# Allegro board A733_PRO2_AXP318_LPDDR4_4X_200BALL_32X1_V1_1.brd (continued)
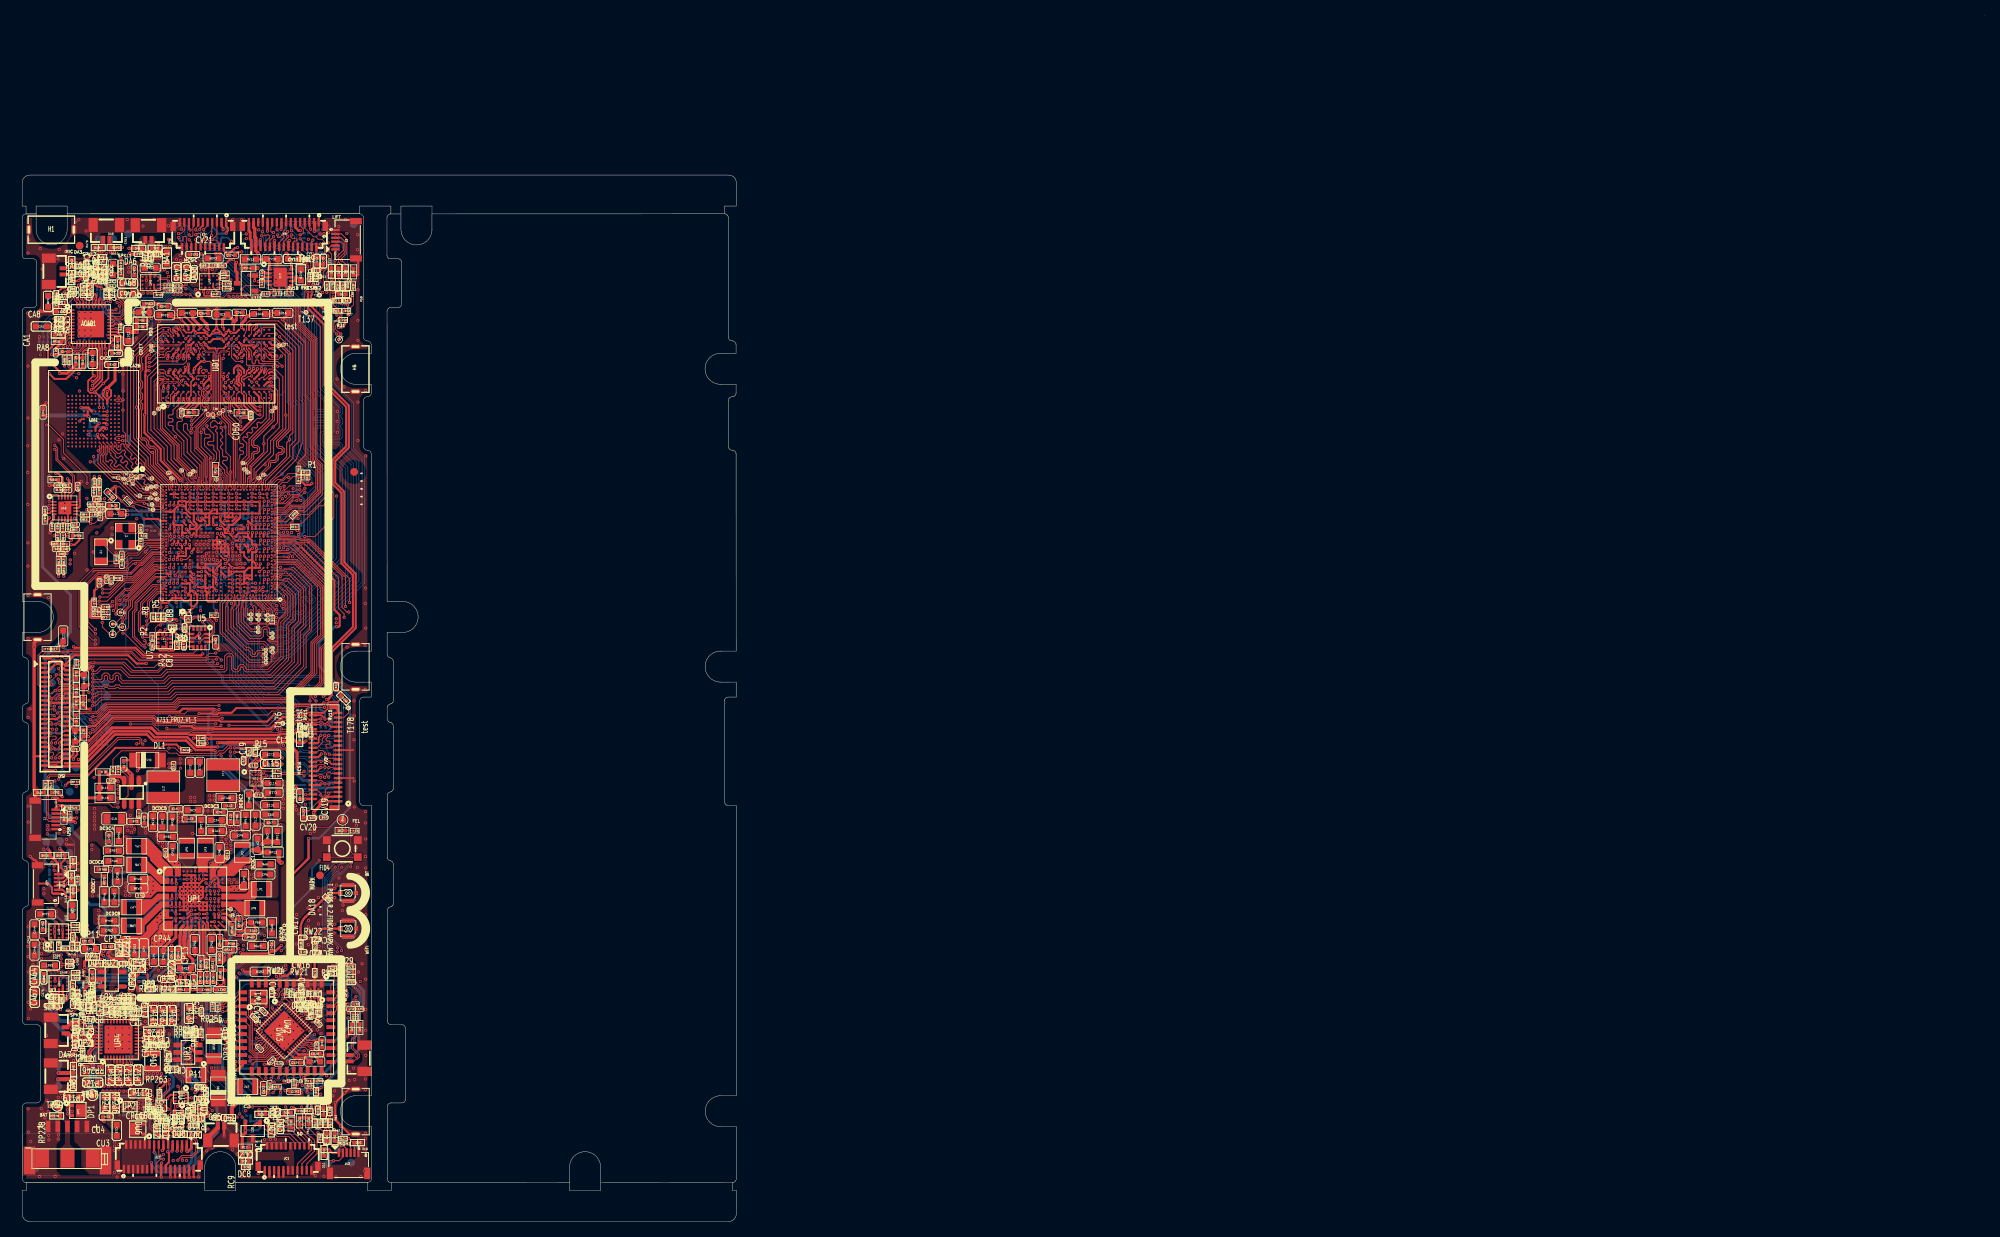
[diagram p0: board, top side]
## Routing (per net, layer and track width the routed paths; a pad name or vN(x,y) marks a point on that pad's centre or on a via; arc(x,y) is an arc through that point) (continued)
  L3 w0.114: v1(9.81,37.93) 10.46,37.93 11.03,37.36 12.18,37.36 12.79,36.75 12.79,36.11 13.31,35.59 14.91,35.59 17.12,37.8 19.53,37.8 20.57,36.75 25.12,36.75 25.45,37.08 26.55,37.08 26.83,37.36 26.83,40.72 30.32,44.21 30.32,49.23 33.05,51.96 33.05,57.02 33.88,57.85 33.88,59.21 34.61,59.93 34.61,63.62 33.81,64.41 33.81,69.85 35.03,71.07 35.03,75.35 36.79,77.1 36.79,89.07 36.05,89.81 36.05,91.44 35.57,91.92 35.57,92.89 v1(35.42,93.03)
  L4 w0.114: v1(35.42,93.03) 35.57,93.18 35.57,93.46 35.86,93.75 36.77,93.75 37.85,94.83 37.85,96.72 37.1,97.47 37.1,116.58 34.78,118.91 30.36,118.91 27.35,121.92 25.77,121.92 25.65,121.92 v1(25.46,121.73) 25.26,121.92 25.23,121.92 25.22,121.91 24.55,121.91 24.53,121.93 19.79,121.93 19.38,121.52 19.07,121.52 v1(18.87,121.33) ; v1(8.43,31.38) 8.72,31.67 8.72,36.87 8.35,37.24 8.35,37.61 v1(8.42,37.68)
  BOTTOM w0.114: v1(8.42,37.68) 8.74,37.36 9.03,37.36 9.61,37.93 v1(9.81,37.93)
TWI1-SCK: length 86.4
  TOP w0.102: v1(18.66,75.18) 18.94,75.18 18.95,75.19 U7.12 ; U2.13 23.42,75.3 22.87,74.75 v1(22.87,74.74)
  TOP w0.114: RL17.2 33.26,58.1 33.46,57.9 36.15,57.9 v1(36.35,58.09) ; JV2.35 39.74,64.42 39.69,64.46 39.39,64.46 39.34,64.42 39.33,64.42 v1(39.03,64.12) 39.03,64.12 38.67,64.48 38.37,64.48 38.31,64.41 36.86,64.41 36.57,64.71 35.39,64.71 34.95,64.26 T176.1 33.07,63.7 33.07,63.66 v1(32.93,63.52) ; U5.A2 21.68,77.87 21.9,77.87 22.12,78.09 23.42,78.09 23.76,77.75 24.23,77.75 24.8,77.18 24.8,75.99 24.4,75.58 24.37,75.58 24.08,75.3 U2.13 ; v1(31.26,91.85) 31.12,91.72 U1.1AA2
  L4 w0.114: v1(32.93,63.52) 32.93,63.7 34.14,64.92 34.14,66.58 37.52,69.95 37.52,74.69 38.51,75.68 38.51,88.16 36.99,89.69 36.87,89.69 36.75,89.81 34.67,89.81 33.13,91.35 31.75,91.35 v1(31.26,91.85)
  BOTTOM w0.114: R39.1 39.03,63.85 v1(39.03,64.12) ; 22.86,74.74 22.7,74.88 21.22,74.88 20.63,75.46 18.94,75.46 v1(18.66,75.18) ; 22.86,74.74 23.03,74.91 23.26,74.91 23.81,74.37 23.81,72.15 25.7,70.26 25.7,69.58 31.6,63.68 32.77,63.68 v1(32.93,63.52) 33.09,63.36 33.09,60.87 35.01,58.95 36.29,58.95 36.79,58.46 36.79,58.03 36.66,57.9 36.54,57.9 v1(36.35,58.09) ; 22.86,74.74 22.86,74.74 ; 22.86,74.74 22.86,74.74 ; v1(22.87,74.74) 22.86,74.74
TWI1-SDA: length 84.8
  TOP w0.102: v1(22.85,75.25) 22.94,75.33 23.02,75.33 23.48,75.8 U2.14 ; U7.2 18.59,75.67 18.15,75.23 v1(18.06,75.23)
  TOP w0.114: v1(36.35,57.49) 36.15,57.68 33.46,57.68 33.26,57.48 RL15.2 ; U5.B2 21.68,77.65 21.99,77.65 22.21,77.87 23.33,77.87 23.67,77.53 24.14,77.53 24.59,77.09 24.59,76.08 24.31,75.8 24.24,75.8 24.13,75.68 23.96,75.68 U2.14 ; v1(38.52,64.12) JV2.34 36.8,64.12 36.43,64.49 35.49,64.49 34.5,63.5 33.48,63.5 v1(33.43,63.55) ; U1.1AA1 31.62,91.71 v1(31.76,91.85)
  L4 w0.114: v1(33.43,63.55) 33.43,63.9 34.36,64.83 34.36,66.49 37.74,69.86 37.74,74.6 38.73,75.59 38.73,88.25 37.08,89.9 36.96,89.9 36.84,90.03 34.76,90.03 33.21,91.58 31.84,91.58 31.76,91.65 v1(31.76,91.85)
  BOTTOM w0.102: T175.1 38.5,64.1
  BOTTOM w0.114: v1(38.52,64.12) 38.5,64.1 R38.1 ; v1(18.06,75.23) 18.51,75.68 20.72,75.68 21.31,75.09 22.66,75.09 22.83,75.28 22.83,75.27 v1(22.85,75.25) 22.87,75.25 23,75.13 23.35,75.13 24.02,74.46 24.02,72.24 25.92,70.35 25.92,69.67 31.69,63.89 33.08,63.89 33.09,63.88 33.1,63.88 v1(33.43,63.55) 33.32,63.44 33.32,60.95 35.1,59.17 36.38,59.17 37,58.55 37,57.94 36.75,57.68 36.54,57.68 v1(36.35,57.49)
TWI2-SCK: length 73.2
  TOP w0.076: 34.1,84.81 33.09,84.81 32.84,84.56 32.45,84.56 32.21,84.8 U1.M2
  TOP w0.097: v1(3.82,67.42) 4.45,68.05 4.88,68.05 5.27,68.43 6.12,68.43 6.15,68.4
  TOP w0.114: JL1.15 3.51,67.83 3.8,67.54 3.8,67.44 v1(3.82,67.42) ; 34.1,84.81 35.15,84.81 38.09,81.87 38.09,75.61 37.24,74.76 37.24,70.9 33.9,67.56 20.07,67.56 19.41,66.9 10.75,66.9 9.6,65.75 7.54,65.75 DL3.2 6.6,66.32 6.45,66.47 6.45,68.1 6.15,68.4
  L3 w0.102: v1(4.71,57.06) 4.45,57.31 4.45,57.39 3.26,58.58 3.26,67.07 3.61,67.42 v1(3.82,67.42)
  BOTTOM w0.102: RL34.2 5.31,67.8 4.2,67.8 v1(3.82,67.42) ; v1(4.71,57.06) 5.11,56.65 5.11,56.26 5.91,55.46 TP66.1
TWI2-SDA: length 71.4
  TOP w0.102: 6.21,67.75 5.83,68.13 JL1.14
  TOP w0.114: U1.M1 32.77,85 35.27,85 38.49,81.77 38.49,75.7 37.47,74.67 37.47,70.83 33.99,67.35 20.17,67.35 19.51,66.69 10.85,66.69 9.7,65.53 7.2,65.53 DL4.2 6.84,65.32 6.31,65.85 6.31,66.3 6.24,66.38 6.24,67.73 6.21,67.75 ; JL1.14 5.41,67.84 5.3,67.84 5.29,67.83 4.68,67.83 4.34,67.49 v1(4.34,67.42)
  L3 w0.102: v1(4.34,67.42) 4.32,67.42 3.96,67.78 3.67,67.78 3.3,67.41 3.3,67.39 3.06,67.15 3.06,58.22 4.05,57.23 4.05,57.01 v1(4.21,56.84)
  BOTTOM w0.102: v1(4.21,56.84) 4.35,56.7 TP67.1 ; v1(4.34,67.42) 4.67,67.09 5.21,67.09 RL35.2
TWI3-SCK: length 81.3
  TOP w0.076: U1.B4 31.37,80.76 31.62,80.51 31.62,80.06 32.75,78.93 v1(32.82,78.93)
  TOP w0.114: v1(35.83,127.3) 35.99,127.3 36.25,127.56 36.25,128.07 35.83,128.49 JV1.9 ; JV3.9 23.91,128.5 v1(23.4,127.99)
  L4 w0.114: v1(35.83,127.3) 35.62,127.3 35.48,127.44 35.48,128.12 35,128.6 29.64,128.6 29.38,128.35 29.38,127.39 29.22,127.23 29.11,127.23 v1(28.91,127.42) 28.65,127.16 28.47,127.16 26.94,128.69 24.68,128.69 23.78,127.78 23.61,127.78 v1(23.4,127.99)
  BOTTOM w0.102: v1(35.83,127.3) 36.04,127.51 RV7.2
  BOTTOM w0.114: v1(28.91,127.42) 28.83,127.34 T134.1 28.27,126.06 28.76,125.57 28.76,124.65 29.77,123.65 30.28,123.65 31.1,122.82 33.14,122.82 34.01,121.96 34.01,119.54 36.18,117.37 36.2,117.37 36.33,117.23 36.33,106.59 37.03,105.89 37.03,99.94 39.95,97.01 39.95,85.72 34.82,80.59 34.82,79.81 33.79,78.78 32.98,78.78 v1(32.82,78.93)
TWI3-SDA: length 80.7
  TOP w0.076: U1.A4 31.37,80.08 32.51,78.95 32.51,78.73 v1(32.81,78.42)
  TOP w0.114: JV3.8 24.21,126.41 23.77,126.85 23.77,126.87 23.4,127.24 v1(23.4,127.35) ; v1(35.85,126.8) 36.13,126.51 JV1.8
  L4 w0.114: v1(35.85,126.8) 35.71,126.94 35.68,126.94 35.26,127.35 35.26,128.03 34.91,128.38 29.73,128.38 29.6,128.26 29.6,127.3 29.31,127.01 29.11,127.01 v1(28.91,126.82) 28.8,126.93 28.76,126.93 28.74,126.95 28.38,126.95 26.85,128.47 24.77,128.47 23.87,127.56 23.61,127.56 v1(23.4,127.35)
  BOTTOM w0.102: RV8.2 35.92,126.87 v1(35.85,126.8)
  BOTTOM w0.114: v1(28.91,126.82) 28.63,126.82 28.51,126.69 28.51,126.3 29.08,125.73 T138.1 29.08,124.64 29.85,123.86 30.37,123.86 31.19,123.04 33.23,123.04 34.22,122.05 34.22,119.65 36.55,117.32 36.55,106.68 37.24,105.98 37.24,100.02 40.16,97.1 40.16,85.63 35.04,80.5 35.04,79.72 33.88,78.56 32.95,78.56 v1(32.81,78.42)
TWI4-SCK: length 41.3
  TOP w0.102: JV2.10 38.58,56.92 v1(39.03,56.46) ; v1(31.07,81.84) 30.62,81.39 U1.1A3
  BOTTOM w0.102: v1(31.07,81.84) 30.54,81.3 30.54,80.92 28.96,79.34 28.96,76.58 30.36,75.19 30.36,71.67 31.81,70.23 38.32,70.23 41.2,67.35 41.2,57.62 40.37,56.79 39.4,56.79 39.06,56.46 v1(39.03,56.46) 38.67,56.83 38.35,56.83 RV24.2 37.91,56.48 T162.1
TWI4-SDA: length 37.8
  TOP w0.102: U1.1A1 31.12,81.35 v1(31.05,81.28) ; JV2.9 39.72,56.62 v1(39.54,56.44)
  BOTTOM w0.102: v1(31.05,81.28) 31,81.23 31,80.96 29.14,79.1 29.14,76.7 30.56,75.28 30.56,71.76 31.89,70.43 38.43,70.43 41.43,67.43 41.43,57.29 T161.1 40.62,56.48 RV25.2 39.59,56.48 v1(39.54,56.44)
TWI8-SCK: length 186.3
  TOP w0.102: RP271.2 10.84,119.19 v1(10.97,119.06) 10.57,119.06 10.26,118.75 UA1.32 ; UP5.B3 18.09,15.51 18.09,16.32 18.11,16.33 18.11,16.4 18.61,16.9 18.61,17.91 18.82,18.11 18.84,18.11 18.97,18.24 v1(18.97,18.3)
  TOP w0.114: UA6.16 6.31,93.74 6.73,94.17 6.73,96.2 4.58,98.35 4.58,99.78 4.36,100 4.35,100 v1(4.2,100.15)
  L3 w0.102: v1(40.5,77.25) 40.05,76.81 40.05,76.12 37.99,74.06 37.99,69.5 40.28,67.2 40.28,49.75 35.91,45.38 35.91,42.44 34.29,40.82 34.29,28.14 30.27,24.13 30.17,24.13 29.05,23 29.05,22.32 27.55,20.82 v1(27.55,20.6) ; v1(10.97,119.06) 10.97,118.92 10.48,118.44 7.2,118.44 6.4,117.65 6.4,115.04 4.66,113.29 4.66,110.25 5.68,109.22 5.68,101.14 4.69,100.15 v1(4.2,100.15) ; v1(20.09,119.61) 21.09,118.6 32.71,118.6 37.22,114.1 37.22,98 35.82,96.61 35.82,96.53 35.77,96.48 35.77,96.44 34.36,95.03 v1(34.36,93.9)
  L4 w0.102: v1(27.55,20.6) 27.38,20.43 22.84,20.43 21.43,19.02 20.01,19.02 19.28,18.3 v1(18.97,18.3) ; v1(40.5,77.25) 40.95,77.71 40.95,88.46 36.75,92.66 35.33,92.66 34.36,93.63 v1(34.36,93.9)
  BOTTOM w0.102: v1(20.09,119.61) 19.72,119.24 19.31,119.24 18.45,118.38 13.98,118.38 12.73,117.13 11.75,117.13 11.12,117.77 11.12,118.46 11.02,118.55 11.02,119.01 v1(10.97,119.06) 10.85,119.18 RA27.1 ; RA3.1 33.07,94.3 33.33,94.03 34.23,94.03 v1(34.36,93.9)
TWI8-SDA: length 185.7
  TOP w0.102: UA1.31 10.66,118.58 10.79,118.71 v1(11.37,118.71) 11.46,118.79 11.46,119.06 11.58,119.18 RP272.2 ; v1(18.97,17.75) 18.97,16.97 18.31,16.31 18.31,15.53 18.34,15.5 UP5.C3
  TOP w0.114: UA6.17 5.91,93.77 6.16,94.03 6.29,94.03 6.52,94.26 6.52,96.11 4.36,98.26 4.36,99.48 v1(4.21,99.63)
  L3 w0.102: v1(4.21,99.63) 4.58,99.63 5.89,100.94 5.89,109.31 4.86,110.33 4.86,113.21 6.61,114.96 6.61,117.57 7.28,118.24 10.64,118.24 11.11,118.71 v1(11.37,118.71) ; v1(19.57,119.59) 19.57,119.58 20.75,118.4 32.63,118.4 37.02,114.01 37.02,98.09 35.64,96.72 35.64,96.61 35.59,96.56 35.59,96.52 34.16,95.08 34.16,94.7 33.95,94.5 v1(33.95,93.57) ; v1(27.49,20.08) 27.19,20.38 27.19,20.76 28.84,22.4 28.84,23.08 30.1,24.34 30.2,24.34 33.92,28.06 33.92,31.79 33.56,32.14 33.56,33.81 34.08,34.33 34.08,40.91 35.7,42.52 35.7,45.45 40.08,49.84 40.08,67.12 37.77,69.43 37.77,74.19 39.83,76.24 39.83,77.11 v1(40.5,77.78)
  L4 w0.102: v1(33.95,93.57) 35.07,92.45 36.67,92.45 40.48,88.64 40.48,78.08 40.48,78.08 40.48,77.79 v1(40.5,77.78) ; v1(27.49,20.08) 27.34,20.23 22.92,20.23 21.51,18.82 20.09,18.82 19.02,17.75 v1(18.97,17.75)
  BOTTOM w0.102: RA4.1 33.84,93.69 v1(33.95,93.57) ; v1(19.57,119.59) 19.37,119.59 18.36,118.58 13.89,118.58 12.64,117.33 11.84,117.33 11.37,117.8 v1(11.37,118.71) 11.46,118.79 11.46,119.06 11.58,119.18 RP272.2
TYPEC-DM: length 2.2
  TOP w0.112: RU11.2 19.69,13.44 LU1.4 19.69,14.67 19.65,14.71 19.65,15.01 19.69,15.05 19.69,15.5 UU3.5
TYPEC-DM-1: length 19.1
  TOP w0.112: RU18.1 RU35.1 13.1,27.97 v1(13.12,27.95) 13.12,27.62 RP252.1 ; v1(20.08,17.45) 20.24,17.28 UU3.2
  BOTTOM w0.112: v1(13.12,27.95) 13.23,27.85 13.23,27.39 13.5,27.13 17.71,27.13 18.39,26.46 18.39,25.86 19.44,24.81 19.44,19.25 20.55,18.14 20.55,17.58 20.42,17.45 v1(20.08,17.45)
TYPEC-DP: length 1.9
  TOP w0.112: RU12.2 LU1.1 20.64,14.19 UU3.7
TYPEC-DP-1: length 19.1
  TOP w0.112: RP251.1 13.57,27.48 13.57,27.79 v1(13.73,27.95) 13.71,27.97 RU34.1 RU17.1 ; v1(21.1,17.46) 21.24,17.32 UU3.10
  BOTTOM w0.112: v1(21.1,17.46) 20.79,17.78 20.79,18.24 19.68,19.35 19.68,24.9 18.63,25.96 18.63,26.55 17.81,27.37 13.6,27.37 13.47,27.49 13.47,27.69 v1(13.73,27.95)
UFS-REXT: length 1
  TOP w0.102: U1.1V26 19.12,89.47 v1(19,89.35)
  BOTTOM w0.102: v1(19,89.35) 19.06,89.41 RM9.2
USB0-DM: length 60.1
  TOP w0.076: 17.16,81.7 17.17,81.71 17.17,81.71 17.48,81.75 17.86,81.75 17.95,81.84 18.27,81.84 18.51,81.6 U1.D36
  TOP w0.112: 17.16,81.7 15.26,79.8 15.26,78.85 14.98,78.57 14.98,76.2 15.25,75.93 15.83,75.93 v1(16.06,75.7) ; v1(12.84,29.44) 12.82,29.44 12.5,29.12 RU18.2
  L4 w0.112: v1(16.06,75.7) 16.31,75.7 16.57,75.44 16.57,74.77 16.91,74.43 16.91,61.39 15.41,59.89 15.41,55.8 14.45,54.84 14.45,52.17 14.14,51.85 13.16,51.85 12.72,51.42 12.72,49.17 12.15,48.6 12.15,44.55 11.97,44.37 11.97,38.95 12.47,38.46 12.47,37.38 12.79,37.06 12.79,34.32 12.52,34.06 12.52,30.71 13.14,30.09 13.14,29.74 v1(12.84,29.44)
USB0-DP: length 60
  TOP w0.076: 17.33,81.53 17.34,81.54 17.38,81.58 17.49,81.59 17.92,81.59 17.93,81.6 U1.D37
  TOP w0.112: 17.33,81.53 15.49,79.7 15.49,78.75 15.22,78.47 15.22,76.3 15.35,76.17 15.94,76.17 16.07,76.3 v1(16.07,76.43) ; v1(14.3,29.27) 14.33,29.24 RU17.2
  L4 w0.112: v1(14.3,29.27) 14.18,29.39 13.73,29.39 13.52,29.59 13.52,29.59 13.41,29.7 13.41,30.2 12.79,30.82 12.79,33.95 13.05,34.21 13.05,37.17 12.73,37.49 12.73,38.57 12.24,39.06 12.24,44.26 12.42,44.44 12.42,48.49 12.99,49.06 12.99,51.31 13.27,51.59 14.25,51.59 14.72,52.06 14.72,54.73 15.68,55.69 15.68,59.78 17.18,61.28 17.18,74.54 16.84,74.88 16.84,75.55 16.45,75.94 16.45,76.04 v1(16.07,76.43)
USB0-REXT: length 2
  TOP w0.102: U1.1B23 20.96,81.85 v1(21.08,81.73)
  BOTTOM w0.102: v1(21.08,81.73) 20.47,81.12 R14.2
USB1-DM: length 40.7
  TOP w0.076: U1.F36 18.57,82.34 18.39,82.15 17.37,82.15 17.32,82.2 17.3,82.2
  TOP w0.112: v1(15.82,74.1) 15.69,74.23 15.41,74.23 14.24,75.41 14.24,78.67 14.56,78.99 14.56,79.94 16.82,82.2 17.3,82.2 ; RU3.2 3.22,56.84 3.22,57.39 3.54,57.71 7.59,57.71 12.31,62.43 15.16,62.43 15.43,62.17 15.43,61.72 v1(15.55,61.59)
  L4 w0.112: v1(15.55,61.59) 15.45,61.69 15.45,74.03 15.58,74.16 15.76,74.16 v1(15.82,74.1)
USB1-DP: length 41
  TOP w0.076: U1.E36 17.37,82 17.32,81.96 17.3,81.96
  TOP w0.112: 17.3,81.96 16.92,81.96 14.8,79.84 14.8,78.89 14.48,78.57 14.48,75.51 15.51,74.47 15.87,74.47 15.99,74.59 15.99,74.77 v1(15.82,74.94) ; RU4.2 3.68,56.62 3.46,56.84 3.46,57.12 3.46,57.29 3.64,57.47 7.69,57.47 12.41,62.19 15.06,62.19 15.19,62.07 15.19,61.75 15.07,61.63 v1(14.78,61.63)
  L4 w0.112: v1(15.82,74.94) 15.9,74.87 15.9,74.57 15.79,74.47 15.51,74.47 15.19,74.14 15.19,61.77 15.05,61.63 v1(14.78,61.63)
USB1-REXT: length 2.7
  TOP w0.114: U1.1A25 19.64,81.37 19.98,81.37 20.12,81.23 v1(20.12,81.23)
  L4 w0.076: v1(19.86,79.89) 20.09,80.12 20.09,81.2 v1(20.12,81.23)
  BOTTOM w0.102: v1(19.86,79.89) 19.98,79.78 R67.2
USB2-DM: length 58.9
  TOP w0.112: v1(13.8,29.88) 13.8,29.73 13.1,29.03 RU35.2 ; v1(16.04,77.48) 16.4,77.84 16.4,79.92 17.56,81.08 18.13,81.08 18.2,81.01 18.2,80.83 U1.B37
  L4 w0.112: v1(13.8,29.88) 13.97,30.05 13.97,30.23 13.24,30.96 13.24,33.68 13.94,34.38 13.94,36.87 13.15,37.66 13.15,38.84 12.68,39.31 12.68,44.07 12.94,44.32 12.94,48.39 15.12,50.57 15.12,54.44 16.11,55.43 16.11,59.47 17.67,61.04 17.67,74.64 17.36,74.96 17.36,75.7 17.03,76.03 17.03,77.51 16.89,77.65 16.65,77.65 16.52,77.52 16.52,77.34 16.45,77.27 16.28,77.27 16.07,77.48 v1(16.04,77.48)
USB2-DP: length 58.9
  TOP w0.112: RU34.2 13.71,29.28 14.16,29.73 14.16,29.73 v1(14.31,29.88) ; U1.C36 18.46,81.32 17.47,81.32 16.16,80.02 16.16,78.21 v1(16.04,78.08)
  L4 w0.112: v1(16.04,78.08) 16.08,78.04 16.87,78.04 17.29,77.62 17.29,76.14 17.62,75.81 17.62,75.07 17.94,74.75 17.94,60.93 16.38,59.36 16.38,55.32 15.39,54.33 15.39,50.46 13.2,48.28 13.2,44.21 12.95,43.96 12.95,39.42 13.42,38.95 13.42,37.77 14.21,36.98 14.21,34.27 13.51,33.57 13.51,31.07 14.25,30.34 14.25,29.94 v1(14.31,29.88)
USB2-REXT: length 1.2
  TOP w0.102: v1(21.06,81.23) 20.93,81.35 U1.1A23
  BOTTOM w0.102: v1(21.06,81.23) 21.1,81.18 R48.2
USB2-SW: length 107.5
  TOP w0.076: 32.73,92.6 32.69,92.64 32.41,92.64 U1.AL2
  TOP w0.102: RU15.1 18.78,13.11 v1(18.78,13.51) 18.78,13.51 18.78,13.65 19.19,14.06 19.19,15.71 19.43,15.95 UU3.4 ; v1(36.46,94.09) 36.42,94.09 35.92,93.6 35.63,93.6 35.62,93.61 35.02,93.61 35.01,93.6 34.95,93.6 33.95,92.6 32.73,92.6
  L3 w0.102: v1(27.81,35.75) 27.81,36.44 29.24,37.87 29.24,38.41 30.1,39.26 30.1,42.76 30.98,43.65 30.98,47.6 34.25,50.86 34.25,57.22 34.41,57.39 34.41,58.98 35.13,59.7 35.13,59.71 35.14,59.71 35.14,63.84 34.35,64.63 34.35,69.63 35.57,70.85 35.57,75.12 37.31,76.87 37.31,89.3 36.46,90.16 v1(36.46,94.09)
  L4 w0.102: v1(28.05,13.88) 27.97,13.96 26.69,13.96 25.9,13.17 19.12,13.17 v1(18.78,13.51)
  BOTTOM w0.102: v1(28.05,13.88) 28.05,15.9 24.79,19.17 24.79,20.74 24.16,21.36 24.16,29.26 24.73,29.83 26.13,29.83 26.48,30.17 26.48,32.09 27.55,33.17 27.55,35.5 v1(27.81,35.75)
USB2-SW-EN: length 106.5
  TOP w0.102: v1(35.78,94.92) 35.77,94.91 34.44,94.91 33.13,93.6 U1.AP1 ; UU3.8 21.4,15.4 v1(21.4,14.74) RU14.1
  L3 w0.102: v1(28.48,35.08) 28.57,35.08 29.85,36.36 29.85,38.14 30.71,38.99 30.71,42.49 31.59,43.38 31.59,47.33 36.28,52.02 36.28,53.49 35.62,54.15 35.62,55.56 35.8,55.74 35.8,56.67 35.05,57.42 35.05,58.74 35.75,59.44 35.75,64.11 35.74,64.12 35.74,64.18 34.96,64.96 34.96,69.37 36.18,70.59 36.18,74.85 37.92,76.6 37.92,89.67 37.41,90.18 37.41,94.42 36.68,95.15 36.01,95.15 v1(35.78,94.92)
  L4 w0.102: v1(21.4,14.74) 21.48,14.66 21.48,13.82 21.8,13.5 22.65,13.5 23.11,13.96 26.4,13.96 26.6,14.16 27.82,14.16 27.9,14.24 28.2,14.24 28.41,14.03 28.57,14.03 v1(28.82,14.29)
  BOTTOM w0.102: v1(28.82,14.29) 28.66,14.45 28.66,15.9 25.19,19.37 25.19,20.92 24.57,21.54 24.57,29.03 24.96,29.42 26.39,29.42 26.89,29.93 26.89,31.93 28.57,33.6 28.57,34.96 28.48,35.05 v1(28.48,35.08)
USB-UPGRADE-COMBO1-SEL-ADC: length 2.7
  TOP w0.127: U1.1F24 19.73,83.46 v1(19.73,83.31)
  BOTTOM w0.127: v1(19.73,83.31) 19.5,83.54 R13.2 19.5,83.82 19.34,83.98 18.71,83.98 R12.2
V-CORE: length 10.4
  TOP w0.178: UW3.10 30.67,25.48 30.67,25.65 v1(30.55,25.77) ; UW3.23 32.92,20.97 v1(32.87,20.97)
  TOP w0.203: CW26.1 30.46,25.77 v1(30.55,25.77)
  TOP w0.254: CW28.2 32.81,20.9 v1(32.87,20.97)
  L4 w0.254: v1(30.55,25.77) 30.6,25.72 30.6,24.71 29.65,23.76 29.65,22.11 30.79,20.97 v1(32.87,20.97)
VDD-CORE/HP-DET: length 2.5
  TOP w0.102: v1(9.16,119.05) 9.06,118.95 UA1.35
  BOTTOM w0.102: CA11.1 9.25,118.97 v1(9.16,119.05) 9.66,119.55 RA12.1
VLED+: length 38.6
  TOP w0.254: CL7.2 13.21,59.54 DL1.2 15.1,58.95 15.1,58.39 v1(14.86,58.15) ; v1(16,72) 14.75,72 13.7,73.05 6.73,73.05 5.7,72.02 JL1.2 5.55,71.73 4.92,72.36 3.94,72.36 3.61,72.03 JL1.1
  L4 w0.305: v1(16,72) 16,62.53 16.3,62.23 16.3,61.61 14.86,60.16 v1(14.86,58.15) 14.86,56.03 13.95,55.13 v1(13.95,52.39)
VLED-: length 31.5
  TOP w0.254: JL1.4 5.63,71.13 5.42,71.35 5.28,71.35 5.14,71.49 5.14,71.63 4.83,71.93 v1(4.29,71.93) 3.19,70.83 JL1.5
  TOP w0.381: RL9.2 9.96,55.97 RL11.1 9.98,55.94 RL16.1 7.9,54.66 7.55,54.3 4.83,54.3 4.54,54.6 v1(3.94,54.6)
  L4 w0.254: v1(4.29,71.93) 3.22,70.87 3.22,67.16 3.26,67.12 3.26,55.28 v1(3.94,54.6)
VOL+: length 8.7
  TOP w0.102: R57.1 39.99,120.93 R25.2
  TOP w0.114: R57.1 40.36,121.32 40.36,122.54 D2.2 40.34,123.45 40.34,124 v1(40.36,124.01) 40.34,124.03 40.34,124.26 41.41,125.32 41.41,126.1 41.09,126.42 J2.3
  BOTTOM w0.102: v1(40.36,124.01) 40,124.01 TP31.1
VOL+1: length 7.3
  TOP w0.102: R61.1 37.73,12.42 R50.2
  TOP w0.127: R50.2 38.43,11.98 38.84,11.57 38.84,10.86 D8.2 39.93,9.78 v1(41.16,9.78) 41.42,9.78 41.85,9.35 J12.3
  BOTTOM w0.102: v1(41.16,9.78) 40.67,9.3 TP51.1
VOL-: length 11.2
  TOP w0.102: R58.1 R26.2
  TOP w0.114: R26.2 42.08,121.7 42.08,122.52 D3.2 41.01,123.6 v1(40.79,123.6) 40.79,124.25 41.62,125.08 41.62,126.43 41.14,126.92 J2.4
  BOTTOM w0.114: v1(40.79,123.6) 40.79,124.96 40.51,125.24 TP32.1
VOL-1: length 8.8
  TOP w0.102: R51.2 39.12,12.43 R62.1
  TOP w0.127: R51.2 39.72,11.82 39.72,10.99 D9.2 40.52,10.18 41.63,10.18 v1(41.69,10.12) 41.86,10.12 42.35,9.64 J12.4
  BOTTOM w0.102: TP50.1 39.36,10.36 41.45,10.36 v1(41.69,10.12)
VRA1/MIC2P: length 4.7
  TOP w0.102: UA1.14 8.26,113 7.3,112.04 v1(7.11,112.04) 6.96,111.88 6.46,111.88 6.11,111.53 RA87.2
  BOTTOM w0.102: CA2.1 8.01,112.94 v1(7.11,112.04)
VRA2/MIC2N: length 4.9
  TOP w0.102: RA88.2 5.46,111.73 CA4.2 5.99,112.25 v1(6.64,112.25) 6.83,112.25 6.96,112.39 7.37,112.39 7.86,112.89 UA1.13
  BOTTOM w0.102: v1(6.64,112.25) 7.39,113 RA6.2
VREF: length 1.1
  TOP w0.254: UP1.N10 v1(23.85,39.17)
  BOTTOM w0.254: v1(23.85,39.17) 23.86,39.16 CP21.2
WL-REG-ON: length 112.7
  TOP w0.114: UW3.34 37.51,23.94 v1(37.69,24.12) ; RW17.2 25.21,27.44 RW15.1 25.65,27.42 v1(25.83,27.6) 25.93,27.7 26.32,27.7 28.2,29.57 UW2.12 ; U1.R37 18.08,86.1 16.92,86.1 15.47,84.65 15.18,84.65 14.06,83.53 9.82,83.53 8.48,82.19 8.48,77.36 v1(9.45,76.4)
  L4 w0.114: v1(25.83,27.6) 25.62,27.6 22.52,24.5 20.11,24.5 18.14,26.47 10.87,26.47 8.91,28.43 8.26,28.43 7.64,29.06 7.64,32.89 8.19,33.44 8.19,36.58 7.73,37.03 7.73,38.57 7.9,38.74 7.9,46.65 8.39,47.14 8.39,49.29 9,49.9 9.6,49.9 10,50.3 10,57.55 11.91,59.46 11.91,73.7 10.09,75.51 10.09,75.72 9.84,75.97 9.84,76.15 9.6,76.4 v1(9.45,76.4)
  BOTTOM w0.114: v1(25.83,27.6) 25.64,27.6 25.47,27.43 25.47,26.49 25.75,26.21 26.64,26.21 29.55,23.3 30.04,23.3 30.06,23.29 30.36,23.29 30.37,23.3 31.13,23.3 33.22,21.22 34.27,21.22 37.17,24.12 v1(37.69,24.12)
WL-SDIO-CLK: length 82.7
  TOP w0.114: v1(29.38,21.22) 29.46,21.14 31.31,21.14 32.09,21.92 32.2,21.92 32.2,21.92 32.38,21.92 UW3.20 ; UW2.17 27.45,25.07 26.77,24.4 CW15.2 26.17,24.54 v1(26.98,25.35)
  L4 w0.114: v1(33.71,86.93) 33.71,86.3 34.01,86 34.01,85.53 34.59,84.94 34.59,77.77 33.3,76.47 33.3,72.34 28.4,67.44 28.4,55.63 29.75,54.28 29.75,51 31.94,48.82 31.94,38.29 31.73,38.09 31.73,33.45 26.86,28.57 26.86,26.66 26.98,26.53 v1(26.98,25.35)
  BOTTOM w0.114: v1(29.38,21.22) 28.37,22.23 28.37,23.77 26.98,25.16 v1(26.98,25.35) ; RW1.2 33.29,86.51 v1(33.71,86.93) 33.76,86.93 34.15,87.32 RW11.1
WL-SDIO-CMD: length 82.7
  TOP w0.114: v1(26.22,25.77) 26.43,25.97 UW2.16 28.56,25.97 29.27,25.27 29.27,21.97 29.88,21.36 31.15,21.36 31.16,21.37 31.22,21.37 31.99,22.14 32.11,22.14 UW3.19 ; U1.1N2 31.12,87.72 v1(31.26,87.85)
  L4 w0.114: v1(26.22,25.77) 26.22,28.83 30.35,32.96 30.35,33.03 30.55,33.24 30.55,38.43 31.3,39.18 31.3,47.38 30.16,48.53 30.16,48.94 28.94,50.16 28.94,54.2 27.77,55.37 27.77,67.83 32.66,72.72 32.66,76.43 34.03,77.8 34.03,84.43 33.24,85.22 33.24,85.86 v1(31.26,87.85)
  BOTTOM w0.114: RW12.1 31.68,87.43 v1(31.26,87.85)
WL-SDIO-D0: length 83.9
  TOP w0.114: UW2.18 27.8,24.17 27.73,24.1 v1(26.98,24.1) ; v1(29.37,20.7) 29.55,20.88 31.38,20.88 32.14,21.64 32.6,21.64 UW3.21 ; U1.1N1 31.62,87.71 v1(31.76,87.85)
  L4 w0.114: v1(31.76,87.85) 33.51,86.11 33.51,85.36 34.32,84.54 34.32,77.77 32.98,76.43 32.98,72.54 28.08,67.65 28.08,55.5 29.26,54.33 29.26,50.29 30.47,49.07 30.47,48.65 31.62,47.51 31.62,39.05 30.87,38.3 30.87,33.11 30.74,32.98 30.74,32.91 26.54,28.7 26.54,26.53 26.59,26.48 26.59,24.5 v1(26.98,24.1)
  BOTTOM w0.114: v1(29.37,20.7) 28.77,20.7 28.04,21.44 28.04,23.55 27.48,24.1 v1(26.98,24.1) ; v1(31.76,87.85) 31.85,87.77 32.83,87.77 33.11,88.05 RW10.1
WL-SDIO-D1: length 82
  TOP w0.114: UW2.19 27.71,23.27 v1(27.38,23.61) ; v1(29.74,20.32) 30.07,20.65 31.47,20.65 32.2,21.39 32.84,21.39 UW3.22 ; v1(34.35,85.74) 34.34,85.74 34.33,85.74 32.47,85.74 32.21,86 U1.R2
  L4 w0.114: v1(34.35,85.74) 34.35,85.52 34.82,85.05 34.82,77.57 33.61,76.36 33.61,72.17 28.71,67.27 28.71,55.76 30.07,54.41 30.07,51.13 32.25,48.94 32.25,38.15 32.05,37.95 32.05,33.32 27.19,28.46 27.19,26.83 27.88,26.14 27.88,24.12 v1(27.38,23.61)
  BOTTOM w0.114: v1(34.35,85.74) 33.87,85.74 RW9.1 ; v1(29.74,20.32) 28.56,20.32 27.66,21.22 27.66,23.33 v1(27.38,23.61)
WL-SDIO-D2: length 80.4
  TOP w0.102: U1.R1 32.75,86.18 34.45,86.18 v1(34.86,85.77)
  TOP w0.114: v1(27.55,27.72) 27.61,27.77 UW2.14 28.67,27.77 29.19,27.25 29.19,26.57 29.71,26.05 29.71,22.15 30.05,21.8 30.96,21.8 31.59,22.44 31.59,22.61 UW3.17
  L4 w0.114: v1(27.55,27.72) 27.55,28.38 32.37,33.2 32.37,37.77 32.57,37.97 32.57,49.47 31.4,50.63 31.4,51.41 30.47,52.34 30.47,54.45 29.02,55.89 29.02,67.14 29.35,67.46 29.53,67.46 29.6,67.39 29.78,67.39 29.92,67.53 29.92,67.71 29.85,67.79 29.85,67.97 29.99,68.11 30.17,68.11 30.25,68.03 30.43,68.03 30.57,68.18 30.57,68.36 30.5,68.43 30.5,68.61 30.64,68.76 30.82,68.76 30.89,68.68 31.07,68.68 31.22,68.83 31.22,69 31.14,69.08 31.14,69.26 31.29,69.4 31.47,69.4 31.54,69.33 31.72,69.33 31.86,69.47 31.86,69.65 31.79,69.73 31.79,69.91 31.93,70.05 32.11,70.05 32.19,69.97 32.37,69.97 32.51,70.12 32.51,70.3 32.44,70.37 32.44,70.55 32.58,70.7 32.76,70.7 32.83,70.62 33.01,70.62 33.16,70.77 33.16,70.94 33.08,71.02 33.08,71.2 33.23,71.34 33.41,71.34 33.48,71.27 33.66,71.27 33.8,71.41 33.8,71.59 33.73,71.67 33.73,71.85 33.95,72.07 33.95,76.33 35.1,77.47 35.1,85.27 34.86,85.51 v1(34.86,85.77)
  BOTTOM w0.114: RW14.1 34.86,85.95 v1(34.86,85.77)
WL-SDIO-D3: length 83.6
  TOP w0.076: U1.T2 32.41,86.64 32.75,86.64 32.8,86.59
  TOP w0.102: 32.8,86.59 34.11,86.59 v1(34.25,86.73)
  TOP w0.114: v1(27.55,27.01) 27.69,26.87 UW2.15 28.56,26.87 29.49,25.95 29.49,22.06 29.96,21.59 31.06,21.59 UW3.18
  L4 w0.114: v1(34.25,86.73) 34.3,86.68 34.66,86.68 35.35,85.99 35.35,77.35 34.27,76.28 34.27,71.31 29.52,66.56 29.52,55.87 30.79,54.6 30.79,54.24 30.92,54.11 31.22,54.11 31.35,53.99 31.35,53.78 31.22,53.66 30.92,53.66 30.79,53.53 30.79,53.33 30.92,53.2 31.22,53.2 31.35,53.07 31.35,52.87 31.22,52.74 30.92,52.74 30.79,52.61 30.79,52.48 31.72,51.55 31.72,50.76 32.89,49.59 32.89,37.82 32.68,37.62 32.68,33.07 32.06,32.44 32.06,27.89 31.89,27.72 31.89,27.47 31.76,27.34 30.37,27.34 29.71,26.69 27.88,26.69 v1(27.55,27.01)
  BOTTOM w0.114: v1(34.25,86.73) 34.26,86.72 34.44,86.72 35.04,87.32 RW13.1
WL-WAKE-AP: length 105.4
  TOP w0.114: U1.T37 18.06,86.29 16.84,86.29 15.39,84.84 15.09,84.84 14,83.76 9.74,83.76 8.27,82.28 8.27,77.01 v1(9.45,75.82) ; v1(33.56,28.73) 33.85,28.73 33.87,28.71 34.04,28.71 34.54,28.22 34.54,28.03 UW3.47 ; UW2.13 27.79,28.67 26.21,27.09 v1(25.85,27.09)
  L4 w0.114: v1(25.85,27.09) 25.84,27.08 25.47,27.08 22.68,24.28 19.97,24.28 18.03,26.23 10.68,26.23 8.79,28.12 7.49,28.12 7.28,28.32 7.28,29.11 7.41,29.24 7.41,32.98 7.95,33.52 7.95,36.49 7.5,36.93 7.5,38.7 7.65,38.85 7.65,46.84 8.14,47.32 8.14,49.45 8.87,50.19 9.51,50.19 9.75,50.43 9.75,57.65 11.66,59.55 11.66,73.62 9.87,75.4 9.87,75.62 9.65,75.84 9.47,75.84 v1(9.45,75.82)
  BOTTOM w0.114: v1(25.85,27.09) 26.78,27.09 27.53,26.34 30.96,26.34 31.89,27.27 31.89,27.72 32.1,27.93 32.77,27.93 33.2,28.36 33.2,28.36 v1(33.56,28.73)
